# KiCad board HPM1500_DDR2_CORE_RevA.kicad_pcb
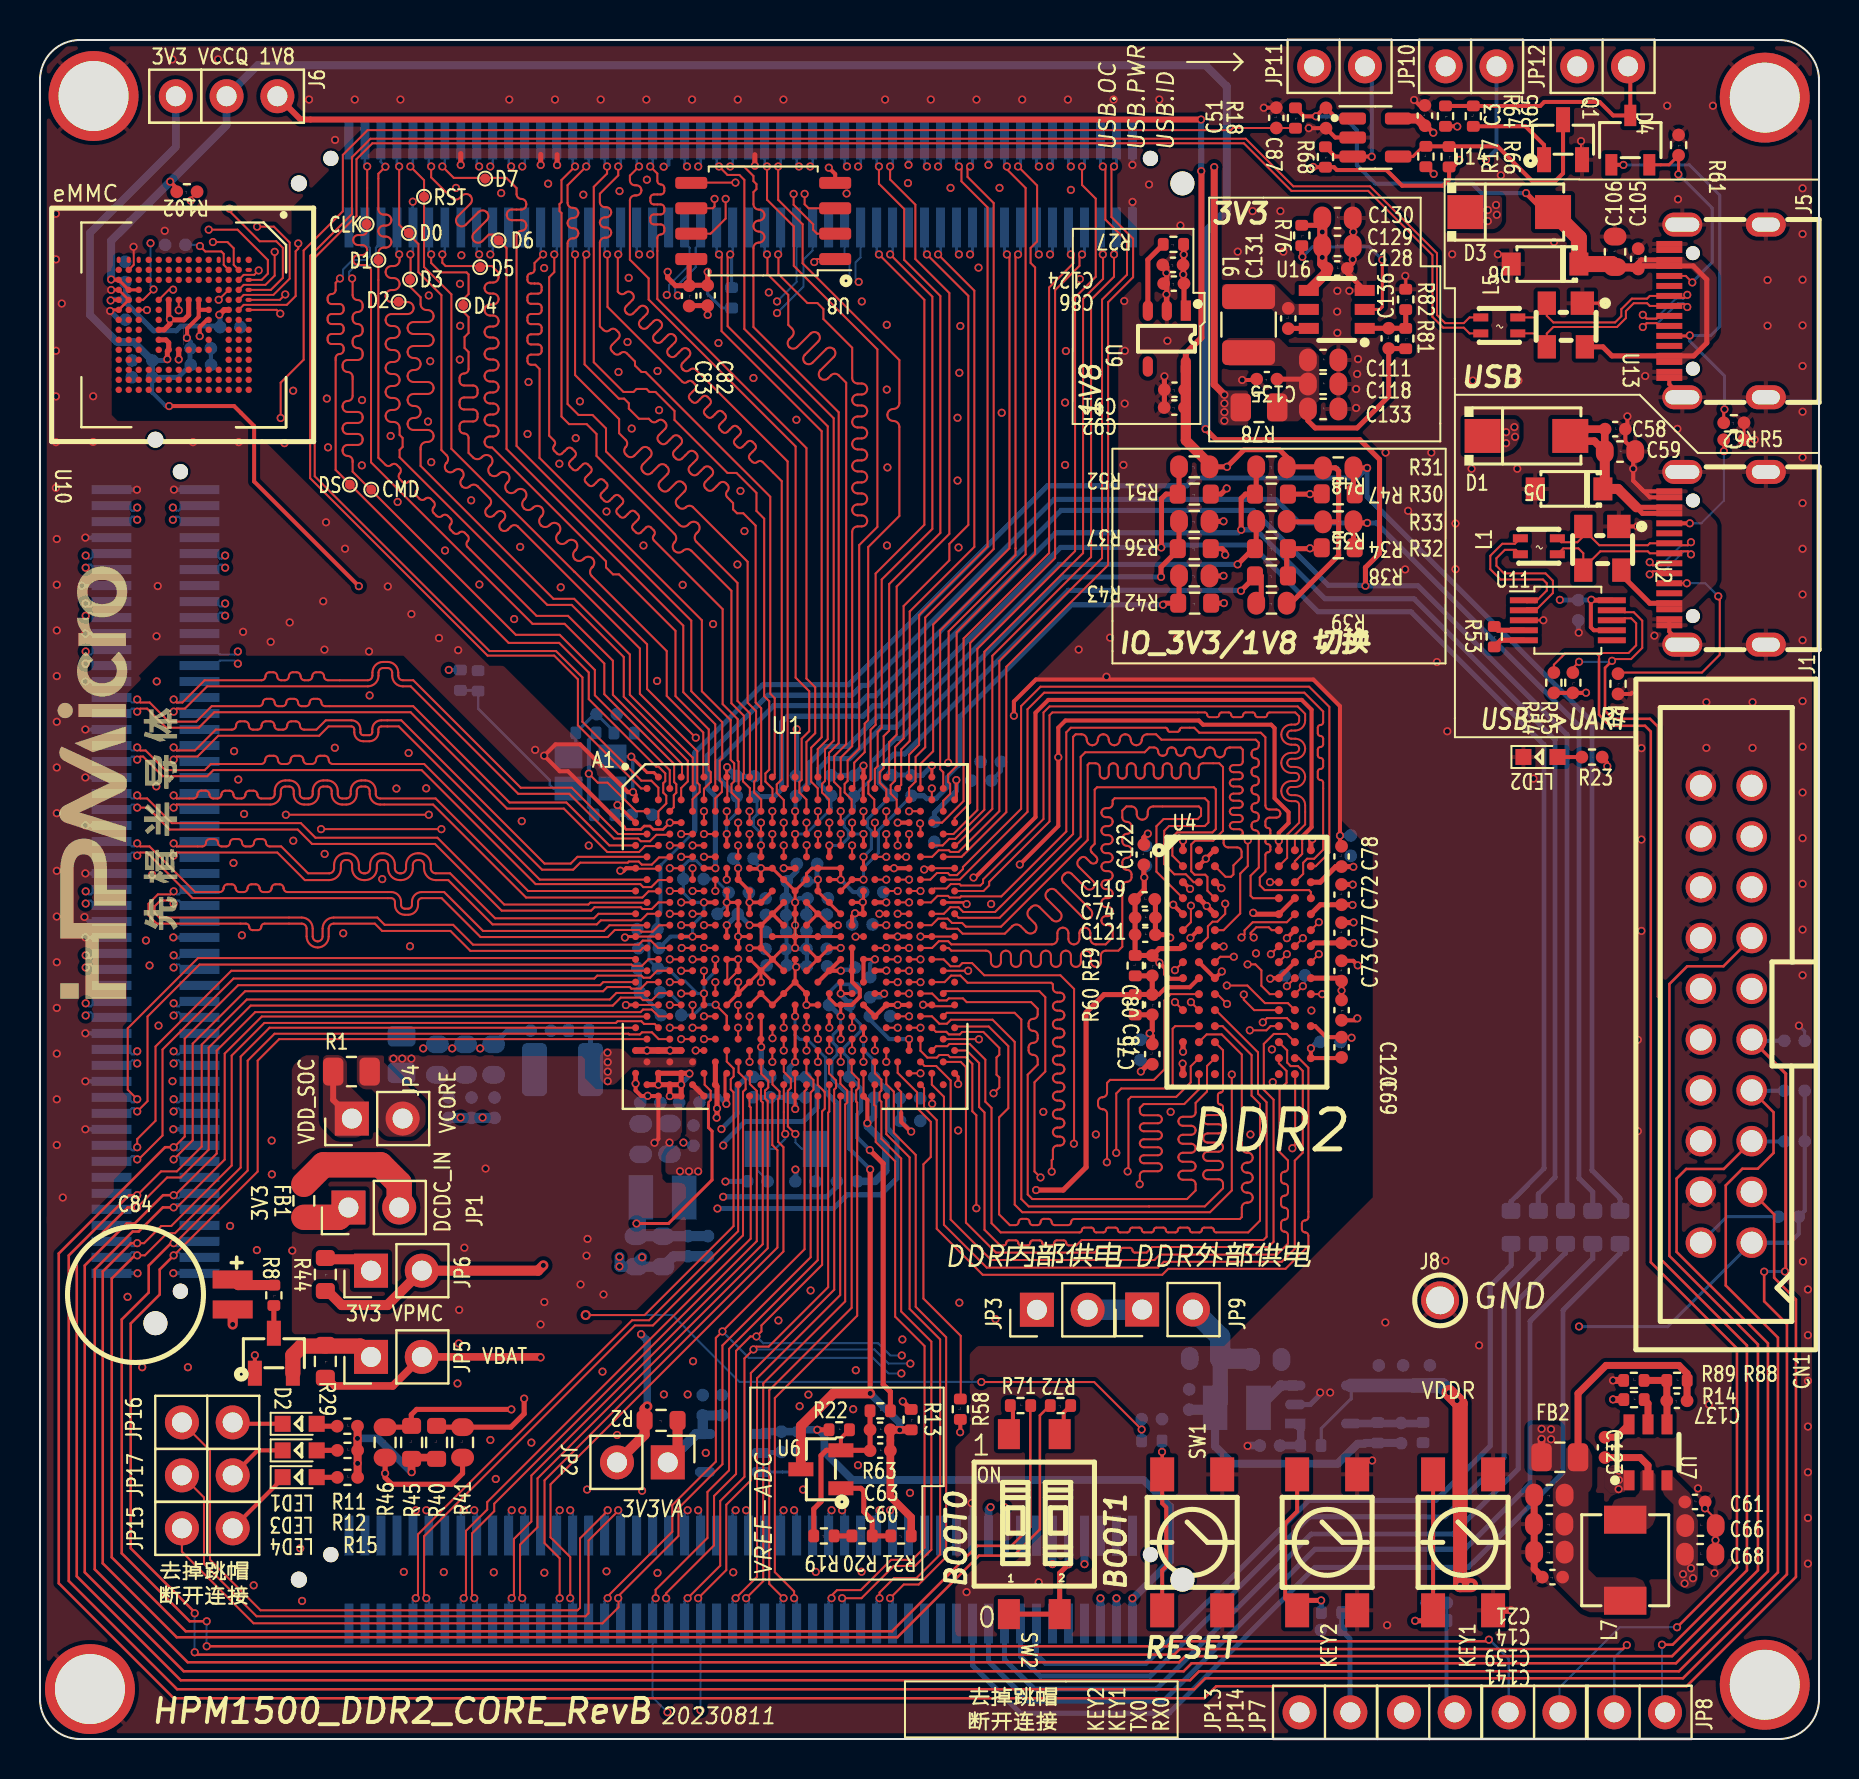
[diagram p0: board, top side]
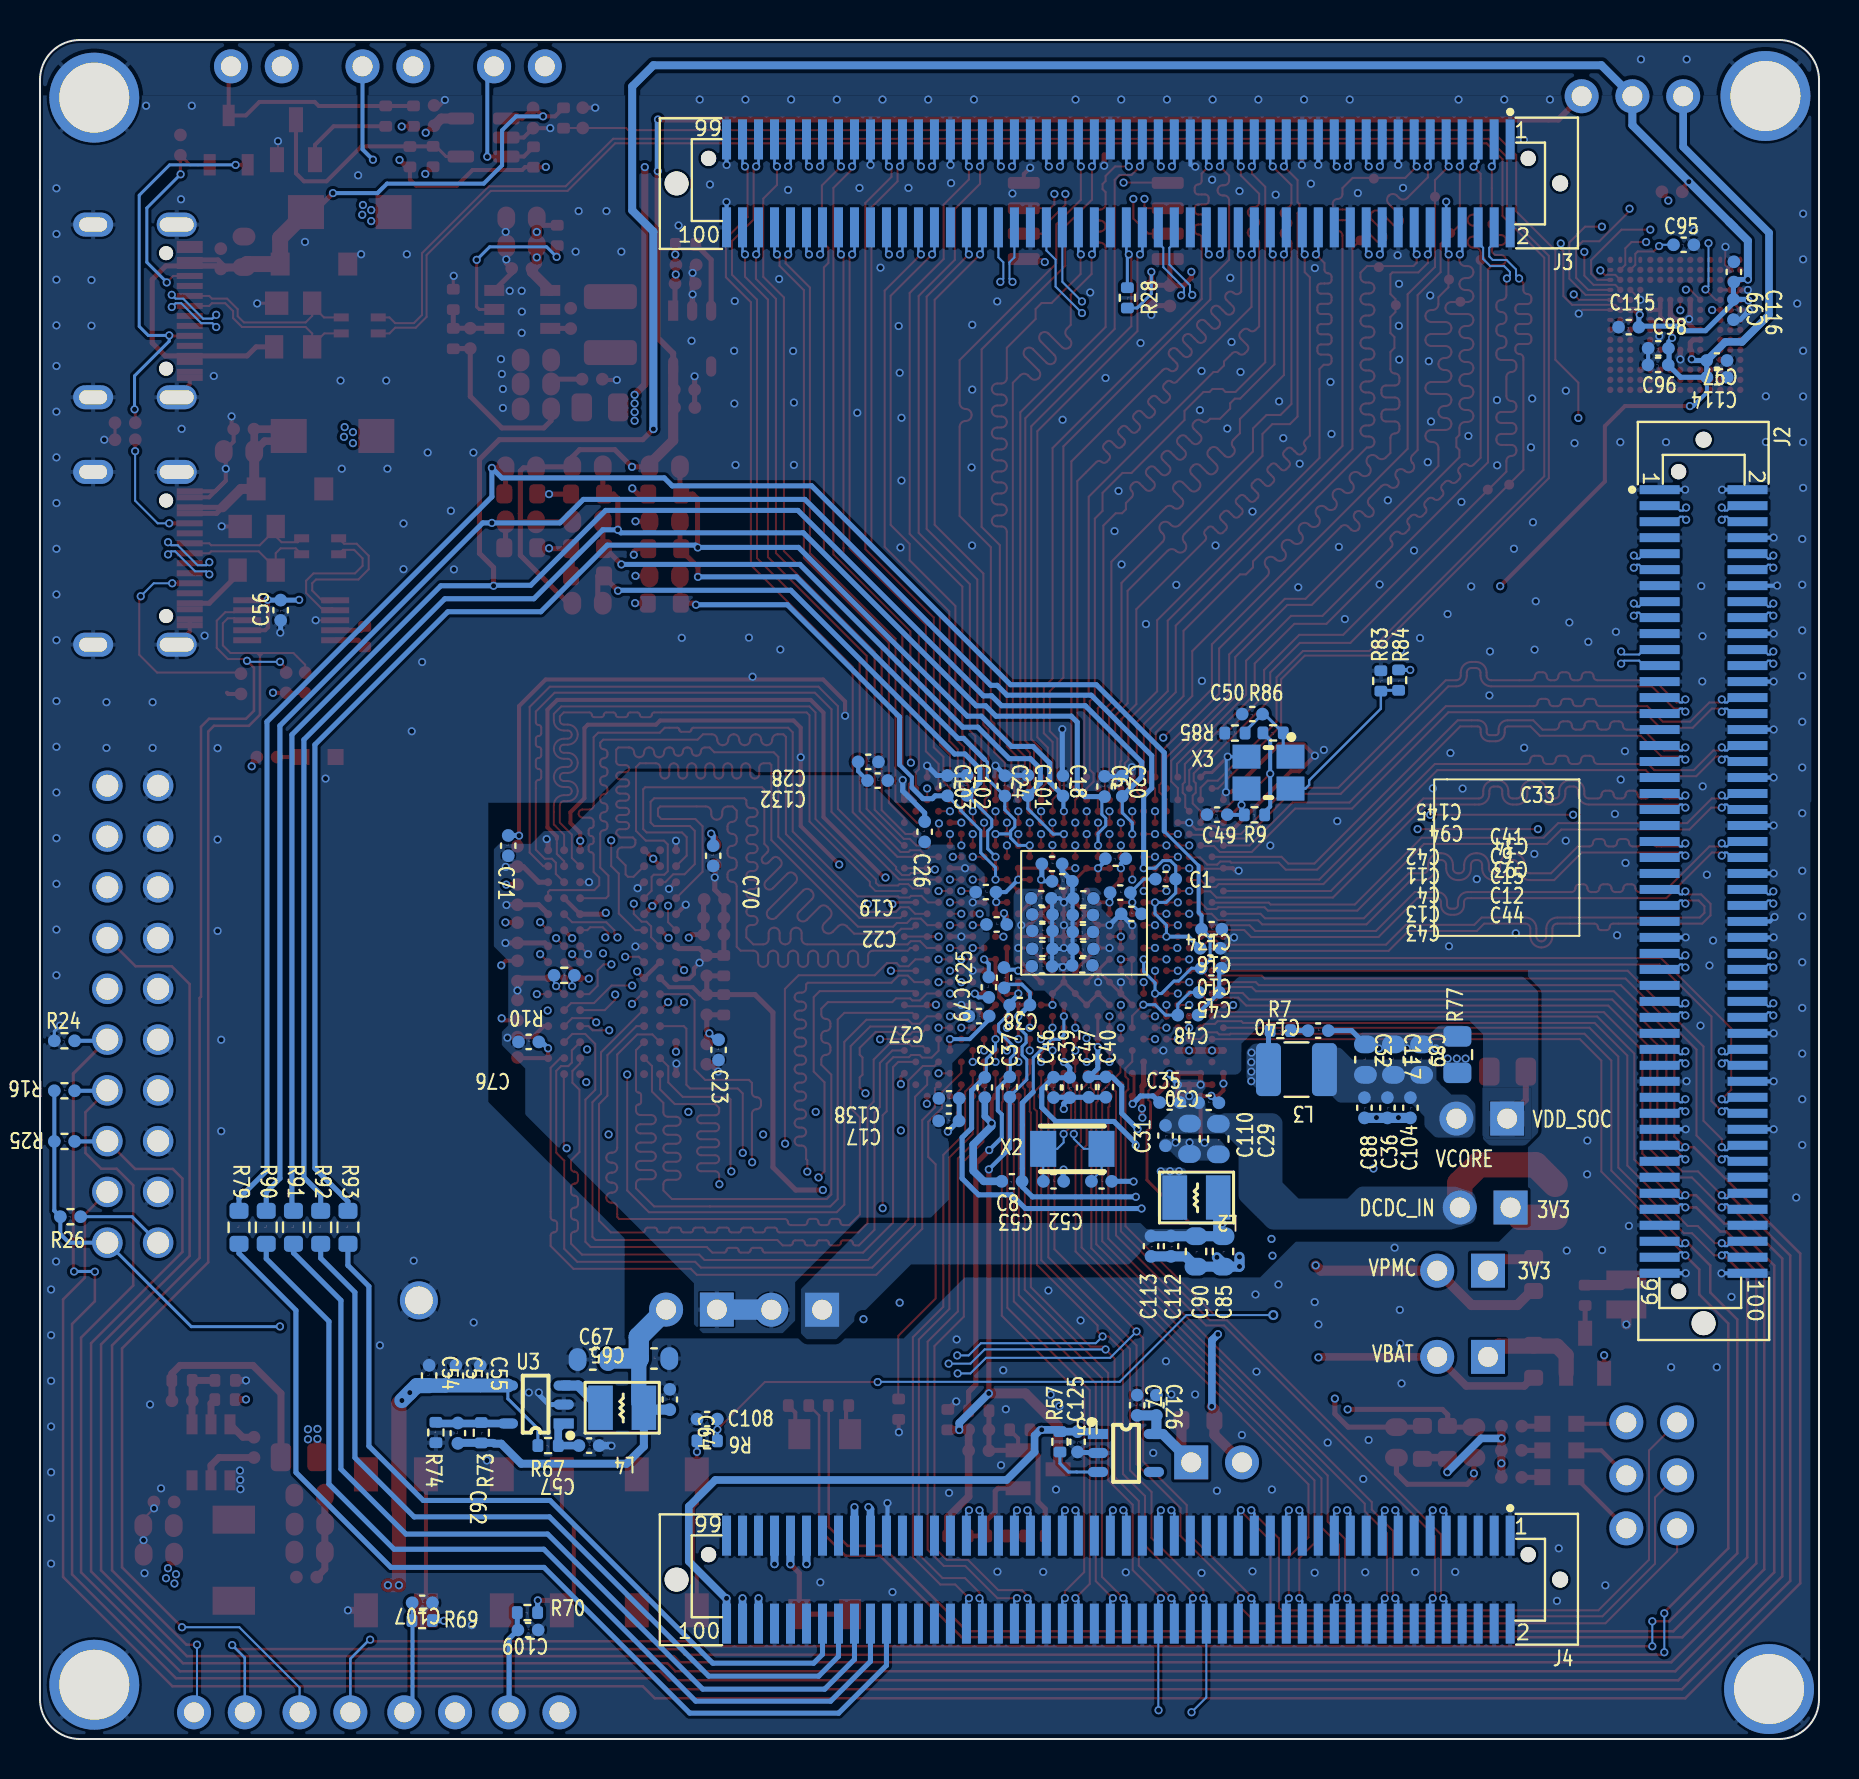
[diagram p1: board, bottom side, seen from below]

Outline 89 x 85 mm; copper layers: Top, In1.Cu, In2.Cu, Bottom. Coordinates in mm from the lower left corner of the outline.
Outline path: 0,83 0,2 arc(0.59,0.59) 2,0 86.98,0 arc(88.4,0.58) 89,2 89,83 arc(88.41,84.41) 87,85 2.02,85 arc(0.59,84.42) 0,83
Stack: Top 0.0175mm / dielectric 0.077mm FR4 er 4.5 / In1.Cu 0.0175mm / dielectric 1.35mm FR4 er 4.5 / In2.Cu 0.0175mm / dielectric 0.077mm FR4 er 4.5 / Bottom 0.0175mm

## Placement (name value [footprint] x y rotation side)
C1  4.7uF,10V  [C_0402]  32.69 43.02 0 bottom
C2  0.1uF,16V  [C_0402]  41.73 32.59 270 bottom
C3  4.7uF,10V  [C_0402]  69.28 81.22 90 top
C4  10uF,10V  [C_0402]  38.85 40.43 180 bottom
C5  10uF,10V  [C_0402]  68.19 18.18 90 bottom
C6  0.1uF,16V  [C_0402]  35.74 47.65 90 bottom
C7  0.1uF,16V  [C_0402]  34.11 16.7 90 bottom
C8  0.1uF,16V  [C_0402]  40.38 27.9 0 bottom
C9  0.1uF,16V  [C_0402]  36.83 41.22 0 bottom
C10  0.1uF,16V  [C_0402]  30.4 38.56 180 bottom
C11  0.1uF,16V  [C_0402]  38.85 41.25 180 bottom
C12  10uF,10V  [C_0402]  36.81 39.52 0 bottom
C13  0.1uF,16V  [C_0402]  38.85 39.53 180 bottom
C14  22uF,10V  [C_0603]  75.5 10.75 180 top
C15  0.1uF,16V  [C_0402]  36.83 40.37 0 bottom
C16  0.1uF,16V  [C_0402]  30.45 39.56 180 bottom
C17  0.1uF,16V  [C_0402]  43.53 30.92 180 bottom
C18  0.1uF,16V  [C_0402]  37.82 47.68 90 bottom
C19  0.1uF,16V  [C_0402]  41.68 42.37 180 bottom
C20  0.1uF,16V  [C_0402]  34.86 47.67 90 bottom
C21  22uF,10V  [C_0603]  75.51 12.2 180 top
C22  0.1uF,16V  [C_0402]  41.14 40.75 180 bottom
C23  0.1uF,16V  [C_0402]  55.05 34.47 90 bottom
C24  0.1uF,16V  [C_0402]  40.73 47.68 90 bottom
C25  0.1uF,16V  [C_0402]  40.77 38.09 270 bottom
C26  0.1uF,16V  [C_0402]  44.74 45.39 90 bottom
C27  0.1uF,16V  [C_0402]  42.02 36.16 180 bottom
C28  0.1uF,16V  [C_0402]  47.56 48.88 180 bottom
C29  22uF,10V  [C_0603]  30.05 30.01 270 bottom
C30  0.1uF,16V  [C_0402]  30.53 31.83 180 bottom
C31  0.1uF,16V  [C_0402]  32.69 30.19 270 bottom
C32  22uF,6.3V  [C_0603]  22.69 33.99 90 bottom
C33  4.7uF,10V  [C_0402]  35.19 44.04 0 bottom
C34  0.1uF,16V  [C_0402]  34.96 42.34 180 bottom
C35  10nF,16V  [C_0402]  32.48 31.84 0 bottom
C36  0.1uF,16V  [C_0402]  21.59 31.58 270 bottom
C37  0.1uF,16V  [C_0402]  40.48 32.62 270 bottom
C38  4.7uF,10V  [C_0402]  39.98 36.72 180 bottom
C39  10uF,10V  [C_0402]  37.48 32.59 270 bottom
C40  10uF,10V  [C_0402]  35.68 32.61 270 bottom
C41  10uF,10V  [C_0402]  36.81 42.05 0 bottom
C42  10uF,10V  [C_0402]  38.91 42.06 180 bottom
C43  10uF,10V  [C_0402]  38.87 38.66 180 bottom
C44  10uF,10V  [C_0402]  36.86 38.7 0 bottom
C45  4.7uF,10V  [C_0402]  30.51 37.35 180 bottom
C46  0.1uF,16V  [C_0402]  38.29 32.6 270 bottom
C47  0.1uF,16V  [C_0402]  36.53 32.61 270 bottom
C48  0.1uF,16V  [C_0402]  31.57 36.21 180 bottom
C49  10pF,50V  [C_0402]  30.11 46.24 0 bottom
C50  10pF,50V  [C_0402]  28.35 51.27 0 bottom
C51  0.1uF,16V  [C_0402]  61.84 81.1 90 top
C52  15pF,50V  [C_0402]  35.89 27.9 180 bottom
C53  15pF,50V  [C_0402]  38.3 27.9 180 bottom
C54  10uF,10V  [C_0402]  69.53 18.19 90 bottom
C55  0.1uF,16V  [C_0402]  66.97 18.18 90 bottom
C56  0.1uF,16V  [C_0402]  76.96 56.47 270 bottom
C57  1nF,50V  [C_0402]  61.53 14.68 180 bottom
C58  0.1uF,16V  [C_0402]  78.8 65.53 0 top
C59  22uF,10V  [C_0603]  79.04 64.41 0 top
C60  0.1uF,16V  [C_0402]  42.03 14.42 0 top
C61  0.1uF,16V  [C_0402]  82.79 11.86 0 top
C62  22pF,50V  [C_0402]  68.09 15.3 90 bottom
C63  10uF,10V  [C_0402]  42.03 15.47 0 top
C64  0.1uF,16V  [C_0402]  57.49 16.98 90 bottom
C65  22uF,6.3V  [C_0603]  58.28 19.03 180 bottom
C66  22uF,10V  [C_0603]  83.06 10.68 0 top
C67  22uF,6.3V  [C_0603]  61.34 18.98 0 bottom
C68  22uF,10V  [C_0603]  83.05 9.25 0 top
C69  0.1uF,16V  [C_0402]  65.11 34.6 270 top
C70  0.1uF,16V  [C_0402]  55.32 44.18 90 bottom
C71  0.1uF,16V  [C_0402]  65.57 44.69 90 bottom
C72  0.1uF,16V  [C_0402]  65.11 42.24 90 top
C73  0.1uF,16V  [C_0402]  65.11 38.42 90 top
C74  0.1uF,16V  [C_0402]  55.29 41.09 0 top
C75  0.1uF,16V  [C_0402]  55.64 34.26 90 top
C76  0.1uF,16V  [C_0402]  64.55 34.87 180 bottom
C77  0.1uF,16V  [C_0402]  65.11 40.33 90 top
C78  0.1uF,16V  [C_0402]  65.11 44.15 90 top
C79  0.1uF,16V  [C_0402]  41.53 37.61 90 bottom
C80  0.1uF,16V  [C_0402]  55.64 38.69 270 top
C81  0.1uF,16V  [C_0402]  55.64 36.74 270 top
C82  0.1uF,16V  [C_0402]  33.4 72.22 270 top
C83  10uF,10V  [C_0402]  32.47 72.2 270 top
C84  DMS3R3224R  [DMS3R3224]  9.64 22.24 0 top
C85  22uF,6.3V  [C_0603]  29.81 24.39 270 bottom
C86  4.7uF,10V  [C_0402]  56.72 72.81 180 top
C87  4.7uF,10V  [C_0402]  64.33 81.09 270 top
C88  10nF,16V  [C_0402]  22.74 31.58 270 bottom
C89  22uF,6.3V  [C_0603]  19.88 33.99 90 bottom
C90  22uF,6.3V  [C_0603]  31.17 24.39 270 bottom
C91  0.1uF,16V  [C_0402]  56.75 67.5 180 top
C92  10uF,10V  [C_0402]  56.74 66.61 180 top
C93  0.1uF,16V  [C_0402]  34.4 41.28 180 bottom
C94  4.7uF,10V  [C_0402]  37.86 42.91 180 bottom
C95  0.1uF,16V  [C_0402]  6.77 74.75 0 bottom
C96  0.1uF,16V  [C_0402]  8.05 68.74 0 bottom
C97  0.1uF,16V  [C_0402]  5.11 68.96 180 bottom
C98  10uF,10V  [C_0402]  8.04 69.57 0 bottom
C99  0.1uF,16V  [C_0402]  4.28 71.51 270 bottom
C101  0.1uF,16V  [C_0402]  39.58 47.7 90 bottom
C102  0.1uF,16V  [C_0402]  42.62 47.71 90 bottom
C103  0.1uF,16V  [C_0402]  43.6 47.69 90 bottom
C104  1uF,16V  [C_0402]  20.44 31.58 270 bottom
C105  0.1uF,16V  [C_0402]  79.95 74.05 90 top
C106  22uF,10V  [C_0603]  78.79 74.4 90 top
C107  0.1uF,16V  [C_0402]  69.87 6.81 180 bottom
C108  0.1uF,16V  [C_0402]  55.62 16 0 bottom
C109  0.1uF,16V  [C_0402]  64.58 5.45 180 bottom
C110  22uF,10V  [C_0603]  31.49 30.03 270 bottom
C111  22uF,10V  [C_0603]  64.19 68.99 0 top
C112  0.1uF,16V  [C_0402]  32.42 24.65 270 bottom
C113  0.1uF,16V  [C_0402]  33.42 24.65 270 bottom
C114  0.1uF,16V  [C_0402]  5.1 68.12 180 bottom
C115  0.1uF,16V  [C_0402]  9.52 70.63 0 bottom
C116  10uF,10V  [C_0402]  4.26 73.39 90 bottom
C117  22uF,6.3V  [C_0603]  21.29 33.99 90 bottom
C118  22uF,10V  [C_0603]  64.19 67.79 0 top
C119  10uF,10V  [C_0402]  55.26 42 0 top
C120  10uF,10V  [C_0402]  65.11 36.46 270 top
C121  0.1uF,16V  [C_0402]  55.29 40.24 0 top
C122  0.1uF,16V  [C_0402]  55.22 44.24 90 top
C123  0.1uF,16V  [C_0402]  78.29 14.59 270 top
C124  0.1uF,16V  [C_0402]  56.68 73.75 180 top
C125  4.7uF,10V  [C_0402]  37.09 14.87 270 bottom
C126  4.7uF,10V  [C_0402]  33.15 16.7 90 bottom
C128  0.1uF,16V  [C_0402]  64.89 73.57 0 top
C129  22uF,10V  [C_0603]  64.91 74.69 0 top
C130  22uF,10V  [C_0603]  64.91 76.09 0 top
C131  0.1uF,16V  [C_0402]  62.44 71.07 90 top
C132  10uF,10V  [C_0402]  47.09 47.95 180 bottom
C133  22uF,10V  [C_0603]  64.19 66.54 0 top
C134  4.7uF,10V  [C_0402]  30.38 40.51 180 bottom
C135  0.1uF,16V  [C_0402]  61.37 68.03 180 top
C136  22pF,50V  [C_0402]  67.47 70.07 90 top
C137  22pF,50V  [C_0402]  81.89 16.92 180 top
C138  10uF,10V  [C_0402]  43.52 32.05 180 bottom
C139  22uF,10V  [C_0603]  75.51 9.35 180 top
C140  2.2nF,50V  [C_0402]  25.06 35.44 180 bottom
C141  0.1uF,16V  [C_0402]  75.66 8.1 180 top
C145  0.1uF,16V  [C_0402]  38.37 43.78 180 bottom
CN1  2.54-2*10P简牛  [简易牛角插座 2-10P]  84.36 36.26 90 top
D1  SS34A  [SMA]  74.36 65.19 0 top
D2  BAV99  [SOT-23]  11.7 19.3 270 top
D3  SS34A  [SMA]  73.5 76.39 0 top
D4  BAT54A-7-F  [SOT-23-3L]  79.56 79.99 270 top
D5  SMF6.0CA  [SOD-123]  76.49 62.54 180 top
D6  SMF6.0CA  [SOD-123]  75.29 73.79 180 top
FB1  100Ω@100MHz 2A  [R_0603_1608Metric]  13.2 26.92 270 top
FB2  100Ω@100MHz 2A  [R_0805_2012Metric]  76.03 14.1 0 top
H1  MountingHole_Pad  [FIX]  81.48 83.96 0 top
H2  MountingHole_Pad  [FIX#2]  2.5 5 0 top
H3  MountingHole_Pad  [FIX#3]  79.21 9.56 0 top
H4  MountingHole_Pad  [FIX]  -2.12 84.04 0 top
J1  USB_Type-C  [TYPE-C-16P]  83.92 59.07 90 top
J2  板对板连接器100P_0.8mm_公头  [ 板对板连接器100P_0.8mm_公头]  2.58 64.4 270 bottom
J3  板对板连接器100P_0.8mm_公头  [ 板对板连接器100P_0.8mm_公头]  13.55 74.63 0 bottom
J4  板对板连接器100P_0.8mm_公头  [ 板对板连接器100P_0.8mm_公头]  13.55 4.78 0 bottom
J5  USB_Type-C  [TYPE-C-16P]  83.92 71.44 90 top
J6  Conn_01x03  [PinHeader_1x03_P2.54mm]  6.8 82.18 90 top
J8  -  [测试针]  70.04 21.94 0 top
JP1  Jumper_2  [PinHeader_1x02_P2.54mm_Vertical]  15.43 26.59 90 top
JP2  Jumper_2  [PinHeader_1x02_P2.54mm_Vertical]  31.41 13.84 270 top
JP3  Jumper_2  [PinHeader_1x02_P2.54mm_Vertical]  49.87 21.47 90 top
JP4  Jumper_2  [PinHeader_1x02_P2.54mm_Vertical]  15.6 31.04 90 top
JP5  Jumper_2  [PinHeader_1x02_P2.54mm_Vertical]  16.56 19.12 90 top
JP6  Jumper_2  [PinHeader_1x02_P2.54mm_Vertical]  16.56 23.43 90 top
JP7  跳帽  [PinHeader_1x02_P2.54mm]  73.47 1.33 90 top
JP8  跳帽  [PinHeader_1x02_P2.54mm]  78.75 1.33 90 top
JP9  Jumper_2  [PinHeader_1x02_P2.54mm_Vertical]  55.14 21.48 90 top
JP10  跳帽  [PinHeader_1x02_P2.54mm]  70.32 83.68 90 top
JP11  跳帽  [PinHeader_1x02_P2.54mm]  63.74 83.68 90 top
JP12  跳帽  [PinHeader_1x02_P2.54mm]  76.9 83.68 90 top
JP13  跳帽  [PinHeader_1x02_P2.54mm]  63.01 1.33 90 top
JP14  跳帽  [PinHeader_1x02_P2.54mm]  68.23 1.33 90 top
JP15  跳帽  [PinHeader_1x02_P2.54mm]  7.1 10.54 90 top
JP16  跳帽  [PinHeader_1x02_P2.54mm]  7.1 15.84 90 top
JP17  跳帽  [PinHeader_1x02_P2.54mm]  7.1 13.19 90 top
KEY1  轻触开关4.5mm*4.5mm*4mm  [KEY_4.5mm]  71.19 9.84 90 top
KEY2  轻触开关4.5mm*4.5mm*4mm  [KEY_4.5mm]  64.39 9.84 90 top
L1  DLW21SN900SQ2L  [L2012]  74.98 59.67 90 top
L2  4.7uH_1.4A  [L252010]  31.14 27.09 180 bottom
L3  4.7uH_1.6A  [L_1210_3225Metric]  26.14 33.49 180 bottom
L4  4.7uH_1.4A  [L252010]  59.87 16.57 180 bottom
L5  DLW21SN900SQ2L  [L2012]  73 70.72 90 top
L6  4.7uH_1.6A  [L_1210_3225Metric]  60.46 70.76 270 top
L7  4.7uH_3A  [SMD_L4.4-W4.2]  79.3 8.94 90 top
LED1  LED_RED  [LED_0603]  12.99 15.77 180 top
LED2  LED_RED  [LED_0603]  75.06 49.13 180 top
LED3  LED_BLUE  [LED_0603]  12.99 14.44 180 top
LED4  LED_GREEN  [LED_0603]  12.99 13.1 180 top
Q1  2N7002  [SOT-23]  76.19 80.01 270 top
R1  0Ω_0805  [R_0805_2012Metric]  15.58 33.39 0 top
R2  0Ω_0603  [R_0603_1608Metric]  31.07 15.94 180 top
R4  5.1K  [R_0402]  78.94 52.79 270 top
R5  5.1K  [R_0402]  84.74 65 0 top
R6  1K  [R_0402_1005Metric]  55.62 14.91 180 bottom
R7  10Ω  [R_0402_1005Metric]  26.95 35.44 0 bottom
R8  51Ω  [R_0402_1005Metric]  11.7 22.2 270 top
R9  1M  [R_0402_1005Metric]  28.24 46.23 0 bottom
R10  100Ω  [R_0402]  62.77 38.2 180 bottom
R11  3K  [R_0402]  15.37 15.65 0 top
R12  3K  [R_0402]  15.38 14.44 0 top
R13  0Ω_0402  [R_0402_1005Metric]  43.58 15.98 270 top
R14  10K  [R_0402_1005Metric]  79.74 16.98 0 top
R15  3K  [R_0402]  15.38 13.09 0 top
R16  10K  [R_0402]  87.77 32.43 180 bottom
R17  0Ω_0402  [R_0402_1005Metric]  69.33 79.17 90 top
R18  1K  [R_0402_1005Metric]  62.81 81.09 270 top
R19  4.7K  [R_0402_1005Metric]  39.22 10.16 180 top
R20  220Ω  [R_0402_1005Metric]  41.12 10.16 180 top
R21  3K  [R_0402_1005Metric]  43.07 10.16 180 top
R22  100Ω  [R_0402_1005Metric]  39.98 15.47 0 top
R23  3K  [R_0402]  77.64 49.12 0 top
R24  10K  [R_0402]  87.77 34.93 0 bottom
R25  10K  [R_0402]  87.77 29.9 180 bottom
R26  0Ω_0402  [R_0402]  87.47 26.13 0 bottom
R27  10K  [R_0402_1005Metric]  56.7 74.77 180 top
R28  10K  [R_0402_1005Metric]  34.6 72.1 270 bottom
R29  0Ω_0603  [R_0603_1608Metric]  14.28 18.89 270 top
R30  0Ω_0603  [R_0603_1608Metric]  64.94 62.29 0 top
R31  0Ω_0603  [R_0603]  64.94 63.59 0 top
R32  0Ω_0603  [R_0603_1608Metric]  64.94 59.59 0 top
R33  0Ω_0603  [R_0603]  64.94 60.89 0 top
R34  0Ω_0603  [R_0603_1608Metric]  61.6 59.55 180 top
R35  0Ω_0603  [R_0603]  61.6 60.92 180 top
R36  0Ω_0603  [R_0603_1608Metric]  57.74 59.55 180 top
R37  0Ω_0603  [R_0603]  57.74 60.92 180 top
R38  0Ω_0603  [R_0603_1608Metric]  61.6 58.19 180 top
R39  0Ω_0603  [R_0603]  61.6 56.82 180 top
R40  0Ω_0603  [R_0603_1608Metric]  19.84 14.84 90 top
R41  0Ω_0603  [R_0603]  21.14 14.84 90 top
R42  0Ω_0603  [R_0603_1608Metric]  57.76 56.82 180 top
R43  0Ω_0603  [R_0603]  57.74 58.19 180 top
R44  0Ω_0603  [R_0603_1608Metric]  14.28 23.24 270 top
R45  0Ω_0603  [R_0603_1608Metric]  18.59 14.84 90 top
R46  0Ω_0603  [R_0603]  17.27 14.84 90 top
R47  0Ω_0603  [R_0603_1608Metric]  61.6 62.28 180 top
R48  0Ω_0603  [R_0603]  61.6 63.64 180 top
R51  0Ω_0603  [R_0603_1608Metric]  57.74 62.28 180 top
R52  0Ω_0603  [R_0603]  57.74 63.64 180 top
R53  2K  [R_0402_1005Metric]  72.75 55.15 270 top
R54  10K  [R_0402]  75.73 52.84 270 top
R55  10K  [R_0402]  76.68 52.84 270 top
R57  10K  [R_0402_1005Metric]  37.97 14.87 270 bottom
R58  240Ω  [R_0402_1005Metric]  46.04 16.5 90 top
R59  2K  [R_0402_1005Metric]  54.79 38.69 90 top
R60  2K  [R_0402_1005Metric]  54.79 36.73 90 top
R61  5.1K  [R_0402]  81.97 79.74 270 top
R62  5.1K  [R_0402]  84.74 65.85 180 top
R63  0Ω_0402  [R_0402_1005Metric]  42.03 16.42 0 top
R64  100K  [R_0402_1005Metric]  70.31 81.19 270 top
R65  10K  [R_0402_1005Metric]  71.7 81.19 90 top
R66  10K  [R_0402_1005Metric]  70.49 79.16 270 top
R67  10K  [R_0402_1005Metric]  63.58 14.68 0 bottom
R68  10K  [R_0402_1005Metric]  64.31 79.14 270 top
R69  1K  [R_0402_1005Metric]  69.88 5.92 0 bottom
R70  1K  [R_0402_1005Metric]  64.61 6.32 0 bottom
R71  1K  [R_0402_1005Metric]  49.05 16.68 0 top
R72  1K  [R_0402_1005Metric]  51.05 16.68 180 top
R73  20K  [R_0402_1005Metric]  66.92 15.32 270 bottom
R74  10K  [R_0402_1005Metric]  69.19 15.34 90 bottom
R76  10K  [R_0402_1005Metric]  63.12 75.22 270 top
R77  0Ω_0805  [R_0805_2012Metric]  18.09 34.24 270 bottom
R78  0Ω_0805  [R_0805_2012Metric]  60.98 66.62 180 top
R79  0Ω_0603  [R_0603_1608Metric]  79.04 25.6 90 bottom
R81  100K  [R_0402_1005Metric]  68.32 70.06 270 top
R82  22.1K  [R_0402_1005Metric]  68.32 72.02 270 top
R83  0Ω_0402  [R_0402_1005Metric]  21.92 52.93 270 bottom
R84  0Ω_0402  [R_0402_1005Metric]  21.03 52.97 270 bottom
R85  0Ω_0402  [R_0402_1005Metric]  29.22 50.32 180 bottom
R86  0Ω_0402  [R_0402_1005Metric]  27.31 50.33 0 bottom
R88  33.2K  [R_0402_1005Metric]  81.89 17.94 0 top
R89  10K  [R_0402_1005Metric]  79.73 17.94 0 top
R90  0Ω_0603  [R_0603_1608Metric]  77.68 25.6 90 bottom
R91  0Ω_0603  [R_0603_1608Metric]  76.31 25.6 90 bottom
R92  0Ω_0603  [R_0603_1608Metric]  74.95 25.6 90 bottom
R93  0Ω_0603  [R_0603_1608Metric]  73.59 25.6 90 bottom
R102  5.1K  [R_0402]  7.35 77.4 180 top
REF**  HPM Logo  [HPM LOGO]  10.61 37.01 90 top
SW1  轻触开关4.5mm*4.5mm*4mm  [KEY_4.5mm]  57.64 9.84 90 top
SW2  拨码开关  [拨码开关2.54mm]  49.89 10.9 270 top
TRST1  D1  [TestPoint_Pad_D0.5mm]  16.93 73.99 0 top
TRST2  CLK  [TestPoint_Pad_D0.5mm]  16.34 75.78 0 top
TRST3  D2  [TestPoint_Pad_D0.5mm]  17.94 71.9 0 top
TRST4  D3  [TestPoint_Pad_D0.5mm]  18.51 73.01 0 top
TRST5  D4  [TestPoint_Pad_D0.5mm]  21.17 71.73 0 top
TRST6  D5  [TestPoint_Pad_D0.5mm]  22.02 73.63 0 top
TRST7  D6  [TestPoint_Pad_D0.5mm]  22.94 74.97 0 top
TRST8  D7  [TestPoint_Pad_D0.5mm]  22.27 78.06 0 top
TRST9  D0  [TestPoint_Pad_D0.5mm]  18.45 75.34 0 top
TRST10  CMD  [TestPoint_Pad_D0.5mm]  16.57 62.5 0 top
TRST11  DS  [TestPoint_Pad_D0.5mm]  15.5 62.75 0 top
TRST12  RST  [TestPoint_Pad_D0.5mm]  19.21 77.15 0 top
U1  HPM6800  [BGA_417]  37.78 40.14 0 top
U2  -  [PRTR5V0U2X]  78.16 59.57 270 top
U3  SM8082AAAC  [SOT-23-5#2]  64.19 16.74 0 bottom
U4  W972GG6KB  [FBGA-84]  60.38 38.86 0 top
U5  LP5907MFX-3.3/NOPB  [SOT-23-5#2]  34.67 14.31 180 bottom
U6  AZ432ANTR-E1  [SOT-23]  39.06 13.49 0 top
U7  TPS564201DDCR  [SOT-23-6]  80.44 14.34 270 top
U8  MX25L12833FM2I-10G  [SOIC8_208mil]  36.18 75.94 180 top
U9  LP5907MFX-1.8/NOPB  [SOT-23-5#2]  56.37 70.06 270 top
U10  IS21ES04G-JCLI  [BGA153]  7.19 70.75 270 top
U11  CH340E  [MSOP-10]  76.43 55.97 0 top
U13  -  [PRTR5V0U2X]  76.33 70.74 270 top
U14  AP2151WG-7  [SOT-23-5]  66.81 80.12 0 top
U16  SY8104ADC  [SOT-23-6]  64.87 71.52 0 top
X2  32.768kHz,12.5pF  [3215]  37.35 29.52 0 bottom
X3  24MHz ±10ppm 1.8V~3.3V  [OSC-3225]  27.54 48.35 0 bottom

## Library data of the parts
C1 C3 C33 C38 C45 C86 C87 C94 C125 C126 C134 = -: Description: Unpolarized capacitor; Company: SAMSUNG(三星); Model: CL05A475MP5NRNC
C2 C6-C11 C13 C15-C20 C22-C28 C30 C31 C34 C36 C37 C46-C48 C51 C55 C56 C58 C60 C61 C64 C69-C82 C91 C93 C95-C97 C99 C101-C103 C105 C107-C109 C112-C115 C121-C124 C128 C131 C135 C141 C145 = -: Description: Unpolarized capacitor; Company: SAMSUNG(三星); Model: CL05B104KO5NNNC
C4 C5 C12 C39-C44 C54 C63 C83 C92 C98 C116 C119 C120 C132 C138 = -: Description: Unpolarized capacitor; Company: SAMSUNG(三星); Model: CL05A106MP5NUNC
C14 C21 C29 C59 C66 C68 C106 C110 C111 C118 C129 C130 C133 C139 = -: Description: Unpolarized capacitor; Company: SAMSUNG(三星); Model: CL10A226MP8NUNE
C32 C65 C67 C85 C89 C90 C117 = -: Description: Unpolarized capacitor; Company: SAMSUNG(三星); Model: CL10A226MQ8NRNC
C35 C88 = -: Description: Unpolarized capacitor; Company: SAMSUNG(三星); Model: CL05B103KB5NNNC
C49 C50 = -: Description: Unpolarized capacitor; Company: YAGEO(国巨); Model: CC0402JRNPO9BN100
C52 C53 = -: Company: SAMSUNG(三星); Model: CL05C150JB5NNNC
C57 = -: Description: Unpolarized capacitor; Company: SAMSUNG(三星); Model: CL05B102KB5NNNC
C62 C136 C137 = -: Company: SAMSUNG(三星); Model: CL05C220JB5NNNC
C84 = -: Company: KORCHIP(高奇普)
C104 = -: Description: Unpolarized capacitor; Company: SAMSUNG(三星); Model: CL05A105KP5NNNC
C140 = -: Description: Unpolarized capacitor; Company: SAMSUNG(三星); Model: CL05B222KB5NNNC
CN1 = -: Company: BOOMELE(博穆精密)
D1 D3 = -: Company: YANGJIE(扬杰); Model: SS24A
D2 Q1 = -: Company: CJ(江苏长电/长晶)
D4 U6 U14 = -: Company: DIODES(美台)
D5 D6 = -: Company: 晶导微电子
FB1 = -: Description: Ferrite bead, small symbol; Company: Sunlord(顺络); Model: PZ1608D101-2R0TF
FB2 = -: Company: Sunlord(顺络); Model: PZ2012U101-2R0TF
H1-H4 = -: Description: Mounting Hole with connection
J1 J5 = -: Description: kinghelm(金航标); Company: kinghelm(金航标); Model: KH-TYPE-C-16P
J2 = -: Description: 板对板连接器; Company: TE; Model: 5177984-4
J3 J4 = -: Company: TE; Model: 5177984-4
J6 = -: Description: Generic connector, single row, 01x03, script generated (kicad-library-utils/schlib/autogen/connector/)
J8 = -: Company: 荣和; Model: RH-5116
JP1-JP17 = -: Description: Jumper, 2-pole, open
KEY1 KEY2 SW1 = -: Company: SHOU HAN(首韩); Model: TS4540TP
L1 L5 = -: Company: muRata(村田)
L2 L4 = -: Company: muRata(村田); Model: DFE252010F-4R7M
L3 L6 = -: Company: muRata(村田); Model: DFE322512F-4R7M=P2
L7 = -: Company: Sunlord(顺络); Model: MWSA0402S-4R7MT; Field7: MWSA0402S-4R7MT
LED1 LED2 = -: Company: 国星光电; Model: NCD0603R1
LED3 = -: Company: 国星光电; Model: NCD0603B1
LED4 = -: Company: 国星光电; Model: NCD0603C1
R1 R77 = -: Description: Resistor; Company: FH(风华); Model: RS-05000JT
R2 R29 R30 R32 R34 R36 R38 R40 R42 R44 R45 R47 R51 R79 R90-R93 = -: Description: Resistor; Company: UNI-ROYAL(厚声); Model: 0603WAF0000T5E
R4 R5 R102 = -: Description: Resistor; Company: UNI-ROYAL(厚声); Model: 0402WGF5101TCE
R6 R18 R69-R72 = -: Description: Resistor; Company: UNI-ROYAL(厚声); Model: 0402WGF1001TCE
R7 = -: Description: Resistor; Company: UNI-ROYAL(厚声); Model: 0402WGF100JTCE
R8 = -: Description: Resistor; Company: UNI-ROYAL(厚声); Model: 0402WGF510JTCE
R9 = -: Description: Resistor; ASSY_OPT: DNP; Company: UNI-ROYAL(厚声); Model: CQ02WGJ0105TCE
R10 R22 = -: Description: Resistor; Company: UNI-ROYAL(厚声); Model: 0402WGF1000TCE
R11 R12 R15 R21 R23 = -: Description: Resistor; Company: YAGEO(国巨); Model: RC0402FR-073KL
R13 R63 R83 R86 = -: Description: Resistor; Company: YAGEO(国巨); Model: RC0402JR-070RL